# Altium PCB roach2.PcbDoc (part 35 of 39) (continued)
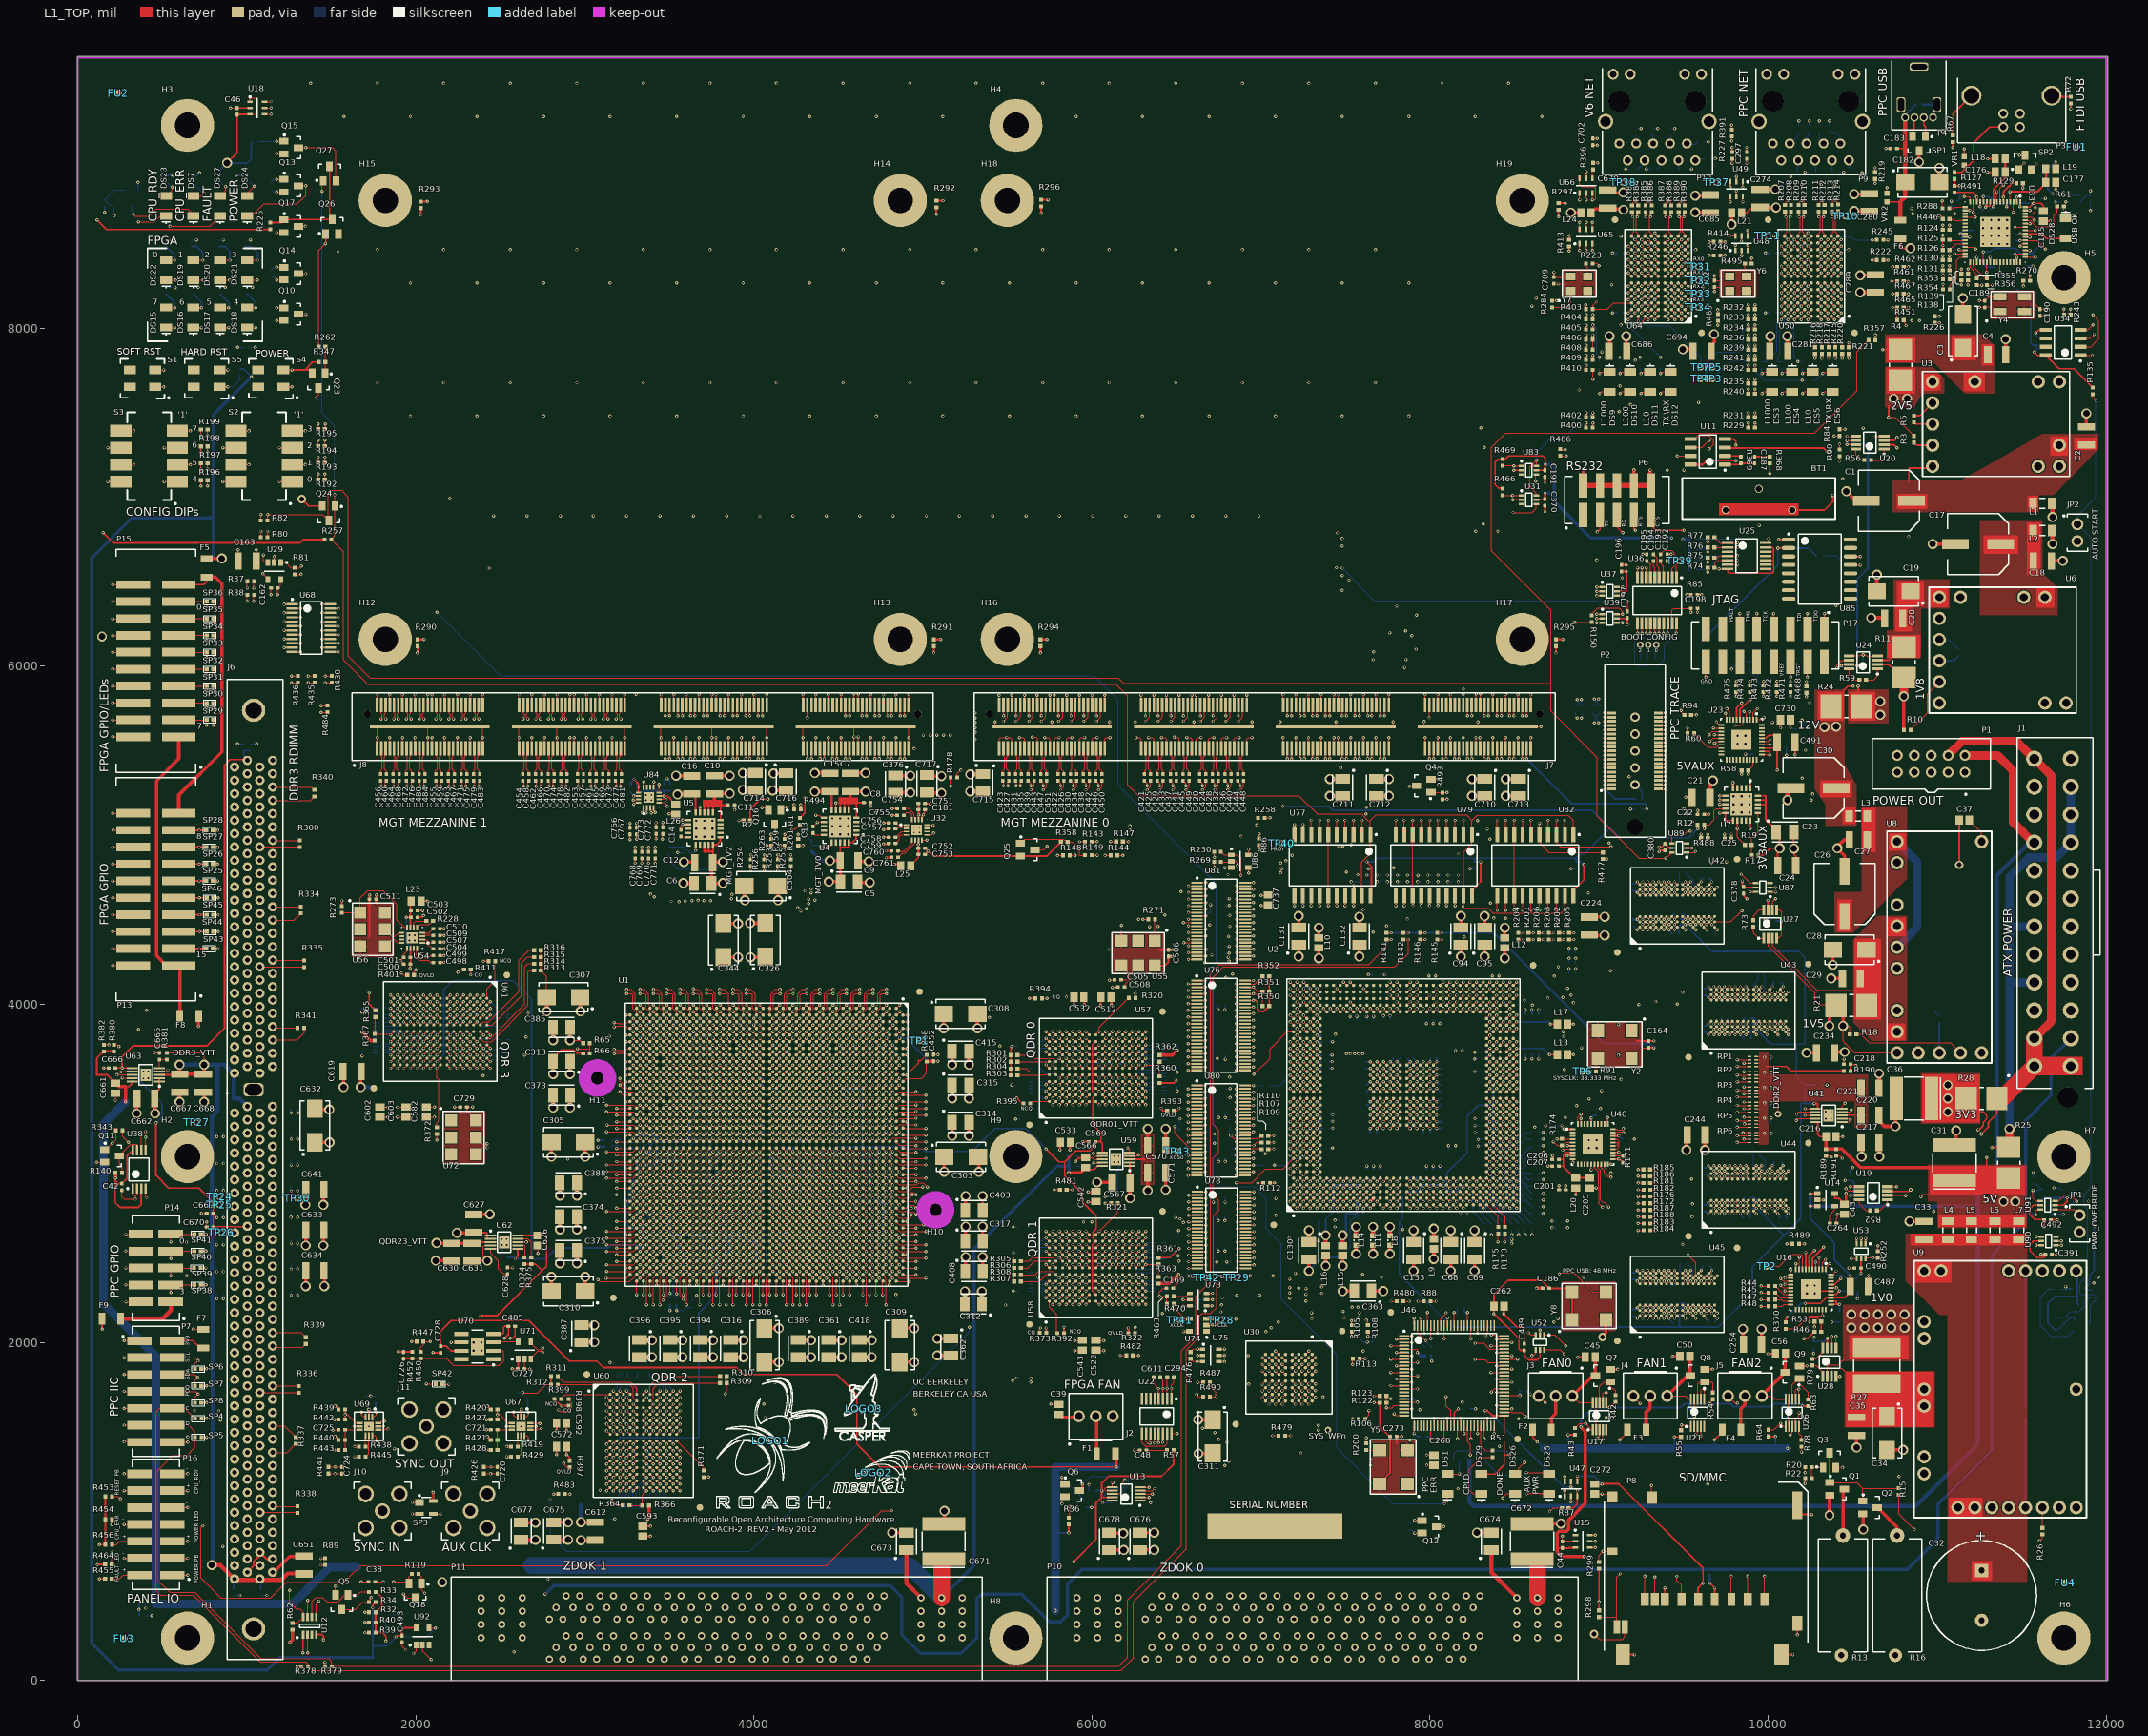
[diagram p0: L1_TOP view]
## Nets (pads, with @x,y where several pads share a name; then routed paths per layer and width w, separated by ;. In a path a pad name is that pad's centre, name@x,y a point inside that pad or via, vN(x,y) a via of type N, cw(c..) or ccw(c..) an arc to the next point about the centre after c; other vN are vias at no path point) (continued)
ZDOK0.DP_N25: P10.C12 U1.G39 | length 5275.9
  L1_TOP w5: U1.G39@4644.77,2478.78 v1(4664.46,2459.09)
  L12_S w3.8: v1(4664.46,2459.09) 4680.43,2443.12 4680.43,2327.03 4700.11,2307.34 4700.11,2238.64 4681.14,2219.67 4681.14,2159.76 4786.19,2054.71 4786.19,1936.76 5092.99,1629.96 5092.99,1619.76 5113.37,1599.38 5229.31,1483.44 cw(c5226.2,1480.33) 5230.6,1480.33 cw(c5226.2,1480.33) 5229.31,1477.22 5195.68,1443.58 ccw(c5204.31,1434.96) 5195.68,1426.33 ccw(c5204.31,1434.96) 5212.93,1426.33 5302.15,1515.54 cw(c5305.26,1512.44) 5308.38,1515.55 cw(c5305.26,1512.44) 5309.66,1512.44 cw(c5305.26,1512.44) 5308.38,1509.33 5258.66,1459.62 5219.16,1420.11 ccw(c5227.78,1411.48) 5219.16,1402.86 ccw(c5227.78,1411.48) 5236.41,1402.86 5325.62,1492.07 cw(c5328.74,1488.96) 5331.85,1492.07 cw(c5328.74,1488.96) 5333.14,1488.96 cw(c5328.74,1488.96) 5331.85,1485.85 5282.14,1436.14 5242.63,1396.63 ccw(c5251.26,1388.01) 5242.63,1379.38 ccw(c5251.26,1388.01) 5259.88,1379.38 5349.1,1468.59 cw(c5352.21,1465.49) 5355.33,1468.6 cw(c5352.21,1465.49) 5356.61,1465.49 cw(c5352.21,1465.49) 5355.33,1462.38 5305.61,1412.67 5266.11,1373.16 ccw(c5274.73,1364.53) 5266.11,1355.91 ccw(c5274.73,1364.53) 5283.36,1355.91 5316.99,1389.53 cw(c5320.1,1386.43) 5323.22,1389.54 ; 5323.22,1389.53 5792.56,920.19 7155.79,920.19 7342.48,733.51 7342.48,508.51 7317.99,484.02 7317.99,410.19 7350.19,377.99 7350.19,254.76 7374.76,230.19 7420.38,230.19 7453.97,263.78 P10.C12@7494.92,263.78
ZDOK0.DP_N26: P10.C14 U1.E37 | length 5265
  L1_TOP w5: U1.E37@4723.51,2557.52 v1(4743.2,2537.83)
  L3_S w3.8: v1(4743.2,2537.83) 4727.6,2522.23 4727.6,2349.39 4747.28,2329.7 4747.28,2192.2 4831.79,2107.69 4831.79,1905.99 5229.79,1507.99 5439.02,1507.99 5854.02,1092.99 6254.02,1092.99 6311.62,1035.39 6353.45,1035.39 6366.57,1048.51 6492.48,1048.51 6570.49,970.5 6605.03,935.95 6607.99,932.99 6694.39,932.99 ccw(c6694.39,937.39) 6698.79,937.39 6698.79,988.71 cw(c6710.99,988.71) 6723.19,988.71 6723.19,902.28 ccw(c6727.59,902.28) 6731.99,902.28 6731.99,988.71 cw(c6744.19,988.71) 6756.39,988.71 6756.39,902.28 ccw(c6760.79,902.28) 6765.19,902.28 6765.19,988.71 cw(c6777.39,988.71) 6789.59,988.71 6789.59,902.28 ccw(c6793.99,902.28) 6798.39,902.28 6798.39,988.71 cw(c6810.59,988.71) 6822.79,988.71 6822.79,902.28 ccw(c6827.19,902.28) 6831.59,902.28 6831.59,988.71 cw(c6843.79,988.71) 6855.99,988.71 6855.99,886.39 ccw(c6860.39,886.39) 6864.79,886.39 6864.79,920.79 cw(c6876.99,920.79) 6876.99,932.99 6901.22,932.99 7291.22,542.99 7311.22,542.99 7415.79,438.42 7415.79,407.99 7532.45,291.33 7626.41,291.33 7653.97,263.78 P10.C14@7694.92,263.78
ZDOK0.DP_N27: P10.C16 U1.D41 | length 5288.3
  L1_TOP w5: U1.D41@4762.57,2399.57 4782.26,2379.88 v2(4782.26,2222.4)
  L14_S w3.8: v2@4783.16,2223.94 4804.21,2244.99 4817.99,2244.99 4827.99,2234.99 4827.99,2175.76 4875.19,2128.56 4875.19,1844.76 4954.76,1765.19 5092.99,1765.19 5224.09,1634.1 5370.07,1488.11 cw(c5366.96,1485) 5371.36,1485 cw(c5366.96,1485) 5370.07,1481.89 5353.87,1465.69 ; 5353.87,1465.68 ccw(c5362.49,1457.06) 5353.87,1448.43 ccw(c5362.49,1457.06) 5371.12,1448.43 5440.37,1517.68 cw(c5443.48,1514.57) 5446.59,1517.68 cw(c5443.48,1514.57) 5447.88,1514.57 cw(c5443.48,1514.57) 5446.59,1511.46 5399.42,1464.29 ; 5399.41,1464.28 5377.34,1442.21 ccw(c5385.97,1433.58) 5377.34,1424.96 ccw(c5385.97,1433.58) 5394.59,1424.96 5463.84,1494.2 cw(c5466.95,1491.09) 5470.06,1494.2 cw(c5466.95,1491.09) 5471.35,1491.09 cw(c5466.95,1491.09) 5470.06,1487.98 5400.82,1418.73 ccw(c5409.44,1410.11) 5400.82,1401.48 ccw(c5409.44,1410.11) 5418.07,1401.48 5487.32,1470.73 cw(c5490.43,1467.62) 5493.54,1470.73 cw(c5490.43,1467.62) 5494.83,1467.62 cw(c5490.43,1467.62) 5493.54,1464.51 5424.29,1395.26 ccw(c5432.92,1386.63) 5424.29,1378.01 ccw(c5432.92,1386.63) 5441.54,1378.01 5457.75,1394.21 cw(c5460.86,1391.1) 5463.97,1394.21 5530.19,1327.99 6002.99,1327.99 6185.28,1145.71 6296.74,1145.71 6318.51,1167.48 6433.51,1167.48 6580.79,1020.19 7322.99,1020.19 7732.48,610.71 7732.48,473.51 7719.61,460.64 7719.61,411.38 7745.19,385.79 7745.19,264.76 7779.76,230.19 7820.38,230.19 7853.97,263.78 P10.C16@7894.92,263.78
ZDOK0.DP_N28: P10.C18 U1.A41 | length 5181.4
  L1_TOP w5: U1.A41@4880.99,2400.04 4881.89,2400.04 v2(4959.73,2400.04)
  L14_S w3.8: v2@4960.63,2401.57 4975.42,2416.36 5079.7,2416.36 5187.99,2308.07 5187.99,2123.76 5416.56,1895.19 5517.99,1895.19 5577.99,1835.19 5577.99,1666.96 5784.76,1460.19 5912.99,1460.19 ccw(c5912.99,1472.39) 5925.19,1472.39 5925.19,1507.17 cw(c5929.59,1507.17) 5933.99,1507.17 5933.99,1435.69 ccw(c5946.19,1435.69) 5958.39,1435.69 5958.39,1524.5 cw(c5962.79,1524.5) 5967.19,1524.5 5967.19,1435.69 ccw(c5979.39,1435.69) 5991.59,1435.69 5991.59,1514.07 cw(c5995.99,1514.07) 6000.39,1514.07 6000.39,1435.69 ccw(c6012.59,1435.69) 6024.79,1435.69 6024.79,1507.12 cw(c6029.19,1507.12) 6033.59,1507.12 6033.59,1472.39 ccw(c6045.79,1472.39) 6045.79,1460.19 6085.79,1460.19 6088.75,1457.24 6149.99,1395.99 6280.79,1265.19 6507.99,1265.19 6640.19,1132.99 7407.99,1132.99 7952.99,587.99 7952.99,482.99 7982.51,453.47 7982.51,408.54 7950.19,376.22 7950.19,264.76 7979.76,235.19 8025.38,235.19 8053.97,263.78 P10.C18@8094.92,263.78
ZDOK0.DP_N29: P10.F2 U1.L32 | length 5252.3
  L1_TOP w5: U1.L32@4487.29,2754.37 v1(4506.98,2734.68)
  L3_S w3.8: v1(4506.98,2734.68) 4522.95,2718.71 4522.95,2359.51 4542.63,2339.82 4542.63,2109.32 4594.99,2056.96 4594.99,1844.76 5189.56,1250.19 5252.99,1250.19 5775.19,727.99 5798.99,727.99 ccw(c5798.99,740.19) 5811.19,740.19 5811.19,801.43 cw(c5815.59,801.43) 5819.99,801.43 5819.99,692.36 ccw(c5832.19,692.36) 5844.39,692.36 5844.39,801.43 cw(c5848.79,801.43) 5853.19,801.43 5853.19,709.83 ccw(c5865.39,709.83) 5877.59,709.83 5877.59,801.43 cw(c5881.99,801.43) 5886.39,801.43 5886.39,740.19 ccw(c5898.59,740.19) 5910.79,740.19 5910.79,801.43 cw(c5915.19,801.43) 5919.59,801.43 5919.59,692.36 ccw(c5931.79,692.36) 5943.99,692.36 5943.99,801.43 cw(c5948.39,801.43) 5952.79,801.43 5952.79,692.36 ccw(c5964.99,692.36) 5977.19,692.36 5977.19,801.43 cw(c5981.59,801.43) 5985.99,801.43 5985.99,692.36 ccw(c5998.19,692.36) 6010.39,692.36 6010.39,801.43 cw(c6014.79,801.43) 6019.19,801.43 6019.19,692.36 ccw(c6031.39,692.36) 6043.59,692.36 6043.59,801.43 cw(c6047.99,801.43) 6052.39,801.43 6052.39,692.36 ccw(c6064.59,692.36) 6076.79,692.36 6076.79,723.59 cw(c6081.19,723.59) 6081.19,727.99 6222.99,727.99 6362.62,588.36 6362.62,497.19 6394.62,465.19 6406.22,465.19 6413.48,472.45 6426.41,472.45 6453.97,500 P10.F2@6494.92,500
ZDOK0.DP_N30: P10.F4 U1.J36 | length 5311.3
  L1_TOP w5: U1.J36@4566.03,2596.89 v1(4585.72,2577.2)
  L5_S w3.8: v1(4585.72,2577.2) 4595,2567.92 4601.69,2561.23 4635.85,2561.23 4648.86,2548.23 4648.86,2406.98 4668.54,2387.3 4668.54,2269.27 4711.24,2226.58 4711.24,2187.28 4660.99,2137.04 4660.99,1886.99 4794.99,1752.99 4861.22,1752.99 5268.42,1345.79 5652.39,1345.79 ccw(c5652.39,1350.19) 5656.79,1350.19 5656.79,1402.06 cw(c5668.99,1402.06) 5681.19,1402.06 5681.19,1298.92 ccw(c5685.59,1298.92) 5689.99,1298.92 5689.99,1402.06 cw(c5702.19,1402.06) 5714.39,1402.06 5714.39,1298.92 ccw(c5718.79,1298.92) 5723.19,1298.92 5723.19,1402.06 cw(c5735.39,1402.06) 5747.59,1402.06 5747.59,1298.92 ccw(c5751.99,1298.92) 5756.39,1298.92 5756.39,1402.06 cw(c5768.59,1402.06) 5780.79,1402.06 5780.79,1298.92 ccw(c5785.19,1298.92) 5789.59,1298.92 5789.59,1402.06 cw(c5801.79,1402.06) 5813.99,1402.06 5813.99,1298.92 ccw(c5818.39,1298.92) 5822.79,1298.92 5822.79,1333.59 cw(c5834.99,1333.59) 5834.99,1345.79 5861.22,1345.79 6015.79,1191.22 6015.79,1056.22 6069.02,1002.99 6170.99,1002.99 ccw(c6170.99,1007.39) 6175.39,1007.39 6175.39,1070.79 cw(c6187.59,1070.79) 6199.79,1070.79 6199.79,1007.39 ccw(c6204.19,1007.39) 6208.59,1007.39 6208.59,1070.79 cw(c6220.79,1070.79) 6232.99,1070.79 6232.99,1007.39 ccw(c6237.39,1007.39) 6241.79,1007.39 6241.79,1070.79 cw(c6253.99,1070.79) 6266.19,1070.79 6266.19,1007.39 ccw(c6270.59,1007.39) 6274.99,1007.39 6274.99,1070.79 cw(c6287.19,1070.79) 6299.39,1070.79 6299.39,1007.39 ccw(c6303.79,1007.39) 6303.79,1002.99 6381.22,1002.99 6615.79,768.42 6615.79,737.99 6658.86,694.92 6658.86,536.06 P10.F4@6694.92,500
ZDOK0.DP_N31: P10.F6 U1.J41 | length 5211.2
  L1_TOP w5: U1.J41@4566.03,2400.04 v1(4585.72,2380.35)
  L12_S w3.8: v1@4586.62,2381.89 v1@4586.94,2381.57 ; v1@4590.33,2378.17 v1@4586.94,2381.57 ; P10.F6@6894.92,500 6855.79,539.13 6855.79,671.22 6829.02,697.99 6024.02,697.99 5944.02,777.99 5597.99,777.99 5056.39,1319.6 ccw(c5045.77,1308.99) 5035.16,1319.6 5009.4,1293.84 cw(c5006.29,1296.95) 5003.18,1300.06 5060.93,1357.81 ccw(c5050.31,1368.42) 5065.32,1368.42 ccw(c5050.31,1368.42) 5039.7,1379.03 4981.95,1321.28 cw(c4978.84,1324.39) 4975.73,1327.5 5033.48,1385.25 ccw(c5022.87,1395.86) 5037.88,1395.86 ccw(c5022.87,1395.86) 5012.26,1406.47 4954.51,1348.73 cw(c4951.4,1351.84) 4948.29,1354.95 5006.04,1412.7 ccw(c4995.42,1423.31) 5010.43,1423.31 ccw(c4995.42,1423.31) 4984.81,1433.92 4927.06,1376.17 cw(c4923.95,1379.28) 4920.84,1382.39 4978.59,1440.14 ccw(c4967.98,1450.75) 4982.99,1450.75 ccw(c4967.98,1450.75) 4957.37,1461.37 4899.62,1403.62 cw(c4896.51,1406.73) 4893.4,1409.84 4951.15,1467.59 ccw(c4940.53,1478.2) 4955.54,1478.2 ccw(c4940.53,1478.2) 4929.92,1488.81 4872.17,1431.06 cw(c4869.06,1434.17) 4865.95,1437.28 4923.7,1495.03 ccw(c4913.09,1505.64) 4928.1,1505.64 ccw(c4913.09,1505.64) 4902.48,1516.26 4884.21,1497.99 cw(c4881.1,1501.1) 4877.99,1497.99 4825.28,1550.71 4825.28,1577.99 ccw(c4813.08,1577.99) 4813.08,1590.19 4756.72,1590.19 cw(c4756.72,1594.59) 4756.72,1598.99 4888.13,1598.99 ccw(c4888.13,1611.19) 4900.33,1611.19 ccw(c4888.13,1611.19) 4888.13,1623.39 4756.72,1623.39 cw(c4756.72,1627.79) 4756.72,1632.19 4888.13,1632.19 ccw(c4888.13,1644.39) 4900.33,1644.39 ccw(c4888.13,1644.39) 4888.13,1656.59 4829.68,1656.59 cw(c4829.68,1660.99) 4825.28,1660.99 4825.28,1684.71 4596.99,1912.99 4596.99,2315.99 4586.94,2326.05 4586.94,2380.35 v1@4586.94,2381.57
  L14_S w3.8: v1@4586.62,2381.89 4586.94,2381.57 v1@4590.33,2378.17
ZDOK0.DP_N32: P10.F8 U1.J38 | length 5232.9
  L1_TOP w5: U1.J38@4566.03,2518.15 v1(4585.72,2498.46)
  L9_R w3.8: v1(4585.72,2498.46) 4570.12,2482.86 4570.12,2352.21 4602.28,2320.05 4602.28,1852.99 4862.28,1592.99 4940.19,1592.99 v3(4947.99,1600.79)
  L12_S w3.8: v3(4947.99,1600.79) 4955.79,1592.99 4961.25,1592.99 4969.05,1600.79 4986.22,1600.79 5000.79,1586.22 5000.79,1530.19 5468.49,1062.49 ccw(c5471.6,1065.6) 5474.71,1062.49 5491.95,1079.73 cw(c5500.57,1071.1) 5509.2,1079.73 cw(c5500.57,1071.1) 5512.77,1071.1 cw(c5500.57,1071.1) 5509.2,1062.47 5486.1,1039.38 ; 5486.09,1039.37 5470.5,1023.77 ccw(c5473.61,1020.66) 5470.5,1017.55 ccw(c5473.61,1020.66) 5476.72,1017.55 5492.32,1033.14 ; 5492.33,1033.15 5515.42,1056.25 cw(c5524.05,1047.62) 5532.68,1056.25 cw(c5524.05,1047.62) 5536.25,1047.62 cw(c5524.05,1047.62) 5532.68,1039 5509.58,1015.9 5493.98,1000.3 ccw(c5497.08,997.18) 5493.97,994.07 ccw(c5497.08,997.18) 5500.19,994.07 5515.79,1009.67 5538.9,1032.77 cw(c5547.52,1024.15) 5556.15,1032.77 cw(c5547.52,1024.15) 5559.72,1024.15 cw(c5547.52,1024.15) 5556.15,1015.52 5533.05,992.43 ; 5533.04,992.42 5517.45,976.82 ccw(c5520.56,973.71) 5517.45,970.6 ccw(c5520.56,973.71) 5523.67,970.6 5562.37,1009.29 cw(c5571,1000.67) 5579.63,1009.3 cw(c5571,1000.67) 5583.2,1000.67 cw(c5571,1000.67) 5579.63,992.05 5556.53,968.95 5540.93,953.35 ccw(c5544.03,950.23) 5540.92,947.12 ccw(c5544.03,950.23) 5547.14,947.12 5585.85,985.82 cw(c5594.47,977.2) 5603.1,985.82 cw(c5594.47,977.2) 5606.67,977.2 cw(c5594.47,977.2) 5603.1,968.57 5580,945.48 ; 5579.99,945.47 5564.4,929.87 ccw(c5567.51,926.76) 5564.4,923.65 ccw(c5567.51,926.76) 5570.62,923.65 5609.32,962.35 cw(c5617.95,953.72) 5626.58,962.35 cw(c5617.95,953.72) 5630.15,953.72 cw(c5617.95,953.72) 5626.58,945.1 5603.48,922 5587.88,906.4 ccw(c5590.98,903.28) 5587.87,900.17 ccw(c5590.98,903.28) 5594.09,900.17 5632.8,938.87 cw(c5641.42,930.25) 5650.05,938.87 cw(c5641.42,930.25) 5653.62,930.25 cw(c5641.42,930.25) 5650.05,921.62 ; 5626.94,898.52 5611.35,882.92 ccw(c5614.46,879.81) 5611.35,876.7 ccw(c5614.46,879.81) 5617.57,876.7 5656.27,915.4 cw(c5664.9,906.77) 5673.53,915.4 cw(c5664.9,906.77) 5677.1,906.77 cw(c5664.9,906.77) 5673.53,898.15 5653.5,878.12 ; 5626.95,898.53 5650.05,921.62 ; 5653.5,877.49 5697.99,832.99 5706.99,832.99 ccw(c5706.99,837.39) 5711.39,837.39 5711.39,864.64 cw(c5723.59,864.64) 5735.79,864.64 5735.79,837.39 ccw(c5740.19,837.39) 5744.59,837.39 5744.59,864.64 cw(c5756.79,864.64) 5768.99,864.64 5768.99,837.39 ccw(c5773.39,837.39) 5777.79,837.39 5777.79,864.64 cw(c5789.99,864.64) 5802.19,864.64 5802.19,837.39 ccw(c5806.59,837.39) 5810.99,837.39 5810.99,864.64 cw(c5823.19,864.64) 5835.39,864.64 5835.39,837.39 ccw(c5839.79,837.39) 5844.19,837.39 5844.19,843.99 cw(c5856.39,843.99) 5868.59,843.99 5868.59,837.39 ccw(c5872.99,837.39) 5877.39,837.39 5877.39,858.38 cw(c5889.59,858.38) 5901.79,858.38 5901.79,837.39 ccw(c5906.19,837.39) 5906.19,832.99 6089.02,832.99 6114.78,807.24 6162.88,807.24 6170.68,815.04 6386.49,815.04 6418.53,782.99 6949.02,782.99 7050.79,681.22 7050.79,544.13 P10.F8@7094.92,500
ZDOK0.DP_N33: P10.F10 U1.H38 | length 5258.6
  L1_TOP w5: U1.H38@4605.4,2518.15 v1(4625.09,2498.46)
  L12_S w3.8: v1(4625.09,2498.46) 4648.86,2474.69 4648.86,2341.13 4668.54,2321.44 4668.54,2249.02 4633.79,2214.26 4633.79,2184.23 4741.22,2076.8 4741.22,1908.99 4835.22,1814.99 4859.22,1814.99 5030.79,1643.42 5030.79,1580.19 5149.49,1461.5 5294.79,1316.19 ccw(c5297.9,1319.3) 5301.01,1316.19 5332.09,1347.27 cw(c5340.72,1338.64) 5349.34,1347.27 cw(c5340.72,1338.64) 5352.92,1338.64 cw(c5340.72,1338.64) 5349.34,1330.02 5312.4,1293.08 ; 5312.39,1293.07 5291.86,1272.53 ccw(c5294.96,1269.42) 5291.85,1266.3 ccw(c5294.96,1269.42) 5298.08,1266.3 5355.57,1323.79 cw(c5364.19,1315.17) 5372.82,1323.79 cw(c5364.19,1315.17) 5376.39,1315.17 cw(c5364.19,1315.17) 5372.82,1306.54 ; 5359.34,1246.12 5338.81,1225.58 ccw(c5341.92,1222.46) 5338.8,1219.35 ccw(c5341.92,1222.46) 5345.03,1219.35 5402.52,1276.84 cw(c5411.14,1268.22) 5419.77,1276.84 cw(c5411.14,1268.22) 5423.34,1268.22 cw(c5411.14,1268.22) 5419.77,1259.59 ; 5359.35,1246.13 5396.29,1283.06 ccw(c5387.67,1291.69) 5399.87,1291.69 ccw(c5387.67,1291.69) 5396.29,1300.32 ccw(c5387.67,1291.69) 5379.04,1300.32 5321.55,1242.83 cw(c5318.44,1245.94) 5315.33,1242.83 cw(c5318.44,1245.94) 5315.33,1249.05 5335.87,1269.59 5372.81,1306.54 ; 5406.29,1199.17 5385.75,1178.63 ccw(c5388.87,1175.51) 5385.75,1172.4 ccw(c5388.87,1175.51) 5391.98,1172.4 5449.47,1229.89 cw(c5458.09,1221.27) 5466.72,1229.89 cw(c5458.09,1221.27) 5470.29,1221.27 cw(c5458.09,1221.27) 5466.72,1212.64 ; 5406.3,1199.18 5443.24,1236.11 ccw(c5434.62,1244.74) 5446.82,1244.74 ccw(c5434.62,1244.74) 5443.24,1253.37 ccw(c5434.62,1244.74) 5425.99,1253.37 5368.51,1195.88 cw(c5365.39,1198.99) 5362.28,1195.88 cw(c5365.39,1198.99) 5362.28,1202.1 5382.82,1222.64 5419.76,1259.59 ; 5453.24,1152.22 5432.7,1131.68 ccw(c5435.82,1128.56) 5432.7,1125.45 ccw(c5435.82,1128.56) 5438.93,1125.45 5453.6,1140.13 cw(c5462.23,1131.5) 5470.86,1140.13 5712.99,897.99 6084.02,897.99 6146.45,835.56 6380.07,835.56 6407.5,862.99 7109.02,862.99 7240.79,731.22 7240.79,554.13 P10.F10@7294.92,500 ; 5453.25,1152.23 5490.19,1189.16 ccw(c5481.57,1197.79) 5493.77,1197.79 ccw(c5481.57,1197.79) 5490.19,1206.42 ccw(c5481.57,1197.79) 5472.94,1206.42 5415.45,1148.93 cw(c5412.34,1152.04) 5409.23,1148.93 cw(c5412.34,1152.04) 5409.23,1155.15 5429.77,1175.69 5466.71,1212.64
ZDOK0.DP_N34: P10.F12 U1.E40 | length 5260.4
  L1_TOP w5: U1.E40@4723.51,2439.41 v1(4743.2,2419.72)
  L3_S w3.8: v1@4744.1,2421.26 4744.41,2420.94 4759.88,2405.47 4759.88,2315.76 4801.19,2274.45 4801.19,2154.76 4867.19,2088.76 4867.19,1901.76 5243.76,1525.19 5495.79,1525.19 5498.75,1522.24 5527.3,1493.68 ccw(c5535.94,1502.3) 5544.56,1493.67 ; 5544.57,1493.68 5570.2,1519.31 cw(c5573.31,1516.2) 5576.42,1519.31 cw(c5573.31,1516.2) 5577.71,1516.2 cw(c5573.31,1516.2) 5576.42,1513.09 5544.92,1481.59 ; 5544.91,1481.58 5520.91,1457.58 ccw(c5529.54,1448.95) 5520.91,1440.32 ccw(c5529.54,1448.95) 5538.16,1440.32 5593.67,1495.83 cw(c5596.79,1492.73) 5599.9,1495.84 cw(c5596.79,1492.73) 5601.19,1492.73 cw(c5596.79,1492.73) 5599.9,1489.62 5568.4,1458.11 5544.39,1434.11 ccw(c5553.01,1425.47) 5544.38,1416.85 ccw(c5553.01,1425.47) 5561.64,1416.85 5617.15,1472.36 cw(c5620.26,1469.25) 5623.37,1472.36 cw(c5620.26,1469.25) 5624.66,1469.25 cw(c5620.26,1469.25) 5623.37,1466.14 5591.87,1434.64 ; 5591.86,1434.63 5567.86,1410.63 ccw(c5576.49,1402) 5567.86,1393.37 ccw(c5576.49,1402) 5585.11,1393.37 5640.62,1448.88 cw(c5643.74,1445.78) 5646.85,1448.89 cw(c5643.74,1445.78) 5648.14,1445.78 cw(c5643.74,1445.78) 5646.85,1442.66 5615.35,1411.16 5591.34,1387.16 ccw(c5599.96,1378.52) 5591.33,1369.9 ccw(c5599.96,1378.52) 5608.59,1369.9 5664.1,1425.41 cw(c5667.21,1422.3) 5670.32,1425.41 cw(c5667.21,1422.3) 5671.61,1422.3 cw(c5667.21,1422.3) 5670.32,1419.19 5614.81,1363.68 ccw(c5623.44,1355.05) 5614.81,1346.42 ccw(c5623.44,1355.05) 5632.06,1346.42 5687.58,1401.94 cw(c5690.69,1398.83) 5693.8,1401.94 cw(c5690.69,1398.83) 5695.09,1398.83 cw(c5690.69,1398.83) 5693.8,1395.71 5638.28,1340.2 ccw(c5646.91,1331.57) 5638.28,1322.95 ccw(c5646.91,1331.57) 5655.54,1322.95 5711.05,1378.46 cw(c5714.16,1375.35) 5717.27,1378.46 cw(c5714.16,1375.35) 5718.56,1375.35 cw(c5714.16,1375.35) 5717.27,1372.24 5661.76,1316.73 ccw(c5670.39,1308.1) 5661.76,1299.47 ccw(c5670.39,1308.1) 5679.01,1299.47 5734.53,1354.99 cw(c5737.64,1351.88) 5740.75,1354.99 cw(c5737.64,1351.88) 5742.04,1351.88 cw(c5737.64,1351.88) 5740.75,1348.76 5685.23,1293.25 ccw(c5693.86,1284.62) 5685.23,1276 ccw(c5693.86,1284.62) 5702.49,1276 5720.63,1294.14 cw(c5723.74,1291.03) 5726.85,1294.14 5804.39,1216.59 5829.45,1216.59 5835.85,1210.19 6415.79,1210.19 6615.79,1010.19 6910.79,1010.19 7220.19,700.79 7220.19,648.78 7376.77,492.2 7383.83,492.2 7403.59,472.45 7426.41,472.45 7453.97,500 P10.F12@7494.92,500
ZDOK0.DP_N35: P10.F14 U1.F41 | length 5256.5
  L1_TOP w5: U1.F41@4684.14,2400.04 v1(4703.83,2380.35)
  L14_S w3.8: v1@4704.73,2381.89 4705.05,2381.57 4739.11,2347.5 4739.11,2183.64 4830.19,2092.56 4830.19,1830.76 4955.76,1705.19 5067.99,1705.19 5505.19,1267.99 5748.99,1267.99 ccw(c5748.99,1280.19) 5761.19,1280.19 5761.19,1307.46 cw(c5765.59,1307.46) 5769.99,1307.46 5769.99,1200.73 ccw(c5782.19,1200.73) 5794.39,1200.73 5794.39,1307.46 cw(c5798.79,1307.46) 5803.19,1307.46 5803.19,1228.27 ccw(c5815.39,1228.27) 5827.59,1228.27 5827.59,1307.46 cw(c5831.99,1307.46) 5836.39,1307.46 5836.39,1212.36 ccw(c5848.59,1212.36) 5860.79,1212.36 5860.79,1307.46 cw(c5865.19,1307.46) 5869.59,1307.46 5869.59,1200.73 ccw(c5881.79,1200.73) 5893.99,1200.73 5893.99,1307.46 cw(c5898.39,1307.46) 5902.79,1307.46 5902.79,1200.73 ccw(c5914.99,1200.73) 5927.19,1200.73 5927.19,1263.59 cw(c5931.59,1263.59) 5931.59,1267.99 5972.99,1267.99 5975.95,1265.04 6013.49,1227.49 6225.79,1015.19 6450.79,1015.19 6520.28,945.71 7289.25,945.71 7522.48,712.48 7527.48,707.48 7535.19,699.76 7535.19,514.76 7579.76,470.19 7624.16,470.19 7653.97,500 P10.F14@7694.92,500
ZDOK0.DP_N36: P10.F16 U1.F36 | length 5263.2
  L1_TOP w5: U1.F36@4684.14,2596.89 v1(4703.83,2577.2)
  L3_S w3.8: v1@4705.05,2578.42 4704.73,2578.74 4704.73,2577.2 4704.73,2563.26 4714.49,2553.49 4754.96,2553.49 4759.17,2549.29 4759.17,2528.14 4772.88,2514.43 4848.52,2514.43 4907.96,2454.99 4953.25,2454.99 ; 4953.27,2455.01 4966.19,2455.01 5055.99,2454.99 5192.99,2317.99 5192.99,1936.76 5469.56,1660.19 5640.79,1660.19 5871.49,1429.5 5915.55,1385.44 5920.79,1380.19 6065.59,1380.19 ccw(c6065.59,1392.39) 6077.79,1392.39 6077.79,1455.55 cw(c6082.19,1455.55) 6086.59,1455.55 6086.59,1353.23 ccw(c6098.79,1353.23) 6110.99,1353.23 6110.99,1455.55 cw(c6115.39,1455.55) 6119.79,1455.55 6119.79,1353.23 ccw(c6131.99,1353.23) 6144.19,1353.23 6144.19,1455.55 cw(c6148.59,1455.55) 6152.99,1455.55 6152.99,1353.23 ccw(c6165.19,1353.23) 6177.39,1353.23 6177.39,1455.55 cw(c6181.79,1455.55) 6186.19,1455.55 6186.19,1353.23 ccw(c6198.39,1353.23) 6210.59,1353.23 6210.59,1375.79 cw(c6214.99,1375.79) 6214.99,1380.19 6514.99,1380.19 6704.99,1190.19 6995.79,1190.19 7567.99,617.99 7682.99,617.99 7773.59,527.39 7773.59,481.36 7784.76,470.19 7824.16,470.19 7853.97,500 P10.F16@7894.92,500
ZDOK0.DP_N37: P10.F18 U1.C38 | length 5215.2
  L1_TOP w5: U1.C38@4802.25,2518.15 v1(4821.94,2498.46)
  L12_S w3.8: v1(4821.94,2498.46) 4862.52,2498.46 4903.79,2457.19 4903.79,2206.99 5021.99,2088.79 5021.99,1935.89 5110.89,1846.99 5635.02,1846.99 5800.79,1681.22 5800.79,1466.22 6068.51,1198.51 6147.48,1198.51 6174.59,1171.39 6211.39,1171.39 6225.28,1185.28 6723.59,1185.28 cw(c6723.59,1173.08) 6735.79,1173.08 6735.79,1135.36 ccw(c6740.19,1135.36) 6744.59,1135.36 6744.59,1173.08 cw(c6756.79,1173.08) 6768.99,1173.08 6768.99,1135.36 ccw(c6773.39,1135.36) 6777.79,1135.36 6777.79,1173.08 cw(c6789.99,1173.08) 6802.19,1173.08 6802.19,1135.36 ccw(c6806.59,1135.36) 6810.99,1135.36 6810.99,1173.08 cw(c6823.19,1173.08) 6835.39,1173.08 6835.39,1135.36 ccw(c6839.79,1135.36) 6844.19,1135.36 6844.19,1173.08 cw(c6856.39,1173.08) 6868.59,1173.08 6868.59,1135.36 ccw(c6872.99,1135.36) 6877.39,1135.36 6877.39,1173.08 cw(c6889.59,1173.08) 6901.79,1173.08 6901.79,1135.36 ccw(c6906.19,1135.36) 6910.59,1135.36 6910.59,1173.08 cw(c6922.79,1173.08) 6934.99,1173.08 6934.99,1135.36 ccw(c6939.39,1135.36) 6943.79,1135.36 6943.79,1173.08 cw(c6955.99,1173.08) 6955.99,1185.28 7301.74,1185.28 7804.02,682.99 8001.22,682.99 8058.86,625.35 8058.86,536.06 P10.F18@8094.92,500
ZDOK0.DP_P0: P10.A1 U1.P27 | length 5228.8
  L1_TOP w5: U1.P27@4369.18,2951.22 v1(4388.87,2931.53)
  L3_S w3.8: v1(4388.87,2931.53) 4365.1,2907.76 4343.03,2907.76 4333.9,2898.63 4333.9,2373.89 4353.58,2354.21 4353.58,2275.47 4381.22,2247.83 4381.22,1842.19 4350.51,1811.48 4350.51,1590.48 5068.49,872.5 5222.59,718.39 cw(c5213.97,709.77) 5226.16,709.77 cw(c5213.97,709.77) 5222.59,701.14 5183.94,662.49 ccw(c5187.05,659.38) 5183.94,656.27 ccw(c5187.05,659.38) 5190.16,656.27 ; 5190.17,656.27 5279.2,745.31 cw(c5287.83,736.68) 5296.46,745.31 cw(c5287.83,736.68) 5300.03,736.68 cw(c5287.83,736.68) 5296.46,728.05 5251.94,683.54 5207.42,639.01 ccw(c5210.53,635.9) 5207.42,632.79 ccw(c5210.53,635.9) 5213.64,632.79 5302.68,721.83 cw(c5311.3,713.21) 5319.93,721.83 cw(c5311.3,713.21) 5323.5,713.21 cw(c5311.3,713.21) 5319.93,704.58 5230.9,615.54 ccw(c5234,612.43) 5230.89,609.32 ccw(c5234,612.43) 5237.11,609.32 ; 5237.12,609.32 5326.15,698.36 cw(c5334.78,689.73) 5343.41,698.36 cw(c5334.78,689.73) 5346.98,689.73 cw(c5334.78,689.73) 5343.41,681.1 5254.37,592.07 ; 5254.37,592.06 ccw(c5257.48,588.95) 5254.37,585.84 ccw(c5257.48,588.95) 5260.59,585.84 5299.23,624.49 cw(c5307.87,615.87) 5316.49,624.49 5482.99,457.99 6169.02,457.99 6202.99,424.02 6202.99,145.79 6270.79,77.99 6327.99,77.99 6347.99,97.99 6347.99,117.99 6340,125.98 P10.A1@6315.2,125.98
ZDOK0.DP_P1: P10.A3 U1.M31 | length 5210.1
  L1_TOP w5: U1.M31@4448.82,2795.28 4467.61,2776.49 v1(4467.61,2774.05)
  L5_S w3.8: v1(4467.61,2774.05) 4450.3,2774.05 4434.7,2758.45 4426.09,2758.45 4412.64,2745 4412.64,2648.87 4421.53,2639.97 4437.93,2639.97 4451.64,2626.27 4451.64,2304.99 4463.52,2293.11 4463.52,2275.47 4443.79,2255.74 4443.79,2072.9 4482.56,2034.13 4482.56,1743.42 5242.99,982.99 5263.78,982.99 cw(c5263.78,970.79) 5275.98,970.79 5275.98,914.52 ccw(c5280.38,914.52) 5284.78,914.52 5284.78,1043.66 cw(c5296.98,1043.66) 5309.18,1043.66 5309.18,914.52 ccw(c5313.58,914.52) 5317.98,914.52 5317.98,1043.66 cw(c5330.18,1043.66) 5342.38,1043.66 5342.38,914.52 ccw(c5346.78,914.52) 5351.18,914.52 5351.18,1043.66 cw(c5363.38,1043.66) 5375.58,1043.66 5375.58,914.52 ccw(c5379.98,914.52) 5384.38,914.52 5384.38,1043.66 cw(c5396.58,1043.66) 5408.78,1043.66 5408.78,914.52 ccw(c5413.18,914.52) 5417.58,914.52 5417.58,970.79 cw(c5429.78,970.79) 5429.78,982.99 5715.79,982.99 6057.99,640.79 6103.24,640.79 6282.99,461.04 6282.99,324.02 6402.99,204.02 6402.99,177.99 6477.99,102.99 6492.2,102.99 P10.A3@6515.2,125.98
ZDOK0.DP_P2: P10.A5 U1.L35 | length 5201.1
  L1_TOP w5: U1.L35@4487.29,2636.26 v1(4506.98,2616.57)
  L5_S w3.8: v1(4506.98,2616.57) 4526.49,2597.06 4526.49,2575 4539.88,2561.6 4555.67,2561.6 4569.75,2547.53 4569.75,2358.74 4570.79,2357.69 4570.79,2312.69 4590.33,2293.16 4590.33,2107.65 4630.28,2067.71 4630.28,1886.49 4915.79,1600.97 4915.79,1552.99 5195.79,1272.99 5444.99,1272.99 ccw(c5444.99,1277.39) 5449.39,1277.39 5449.39,1316.32 cw(c5461.59,1316.32) 5473.79,1316.32 5473.79,1204.66 ccw(c5478.19,1204.66) 5482.59,1204.66 5482.59,1316.32 cw(c5494.79,1316.32) 5506.99,1316.32 5506.99,1204.66 ccw(c5511.39,1204.66) 5515.79,1204.66 5515.79,1316.32 cw(c5527.99,1316.32) 5540.19,1316.32 5540.19,1204.66 ccw(c5544.59,1204.66) 5548.99,1204.66 5548.99,1316.32 cw(c5561.19,1316.32) 5573.39,1316.32 5573.39,1204.66 ccw(c5577.79,1204.66) 5582.19,1204.66 5582.19,1316.32 cw(c5594.39,1316.32) 5606.59,1316.32 5606.59,1277.39 ccw(c5610.99,1277.39) 5610.99,1272.99 5834.02,1272.99 5839.26,1267.75 5875.55,1231.47 5880.79,1226.22 5880.79,1106.22 6013.51,973.51 6352.48,973.51 6515.79,810.19 6515.79,646.22 6587.99,574.02 6587.99,511.96 6587.45,511.41 6587.45,454.57 6650.35,391.66 6650.35,376.66 6745.79,281.22 6745.79,240.79 6715.79,210.79 6715.79,190.79 6662.99,137.99 6662.99,122.99 6682.99,102.99 6692.2,102.99 P10.A5@6715.2,125.98
ZDOK0.DP_P3: P10.A7 U1.K35 | length 5231
  L1_TOP w5: U1.K35@4526.66,2636.26 v1(4546.35,2616.57)
  L5_S w3.8: v1(4546.35,2616.57) 4570.12,2592.8 4670.92,2592.8 4680.43,2583.3 4680.43,2351.34 4691.77,2340 4715,2340 4749.19,2305.81 4749.19,2301.33 4739.48,2291.62 4739.48,2272.24 4749.19,2262.53 4749.19,1876.76 4805.76,1820.19 4942.99,1820.19 5335.19,1427.99 5437.79,1427.99 cw(c5437.79,1423.59) 5442.19,1423.59 5442.19,1367.44 ccw(c5454.39,1367.44) 5466.59,1367.44 5466.59,1453.55 cw(c5470.99,1453.55) 5475.39,1453.55 5475.39,1367.44 ccw(c5487.59,1367.44) 5499.79,1367.44 5499.79,1453.55 cw(c5504.19,1453.55) 5508.59,1453.55 5508.59,1367.44 ccw(c5520.79,1367.44) 5532.99,1367.44 5532.99,1453.55 cw(c5537.39,1453.55) 5541.79,1453.55 5541.79,1367.44 ccw(c5553.99,1367.44) 5566.19,1367.44 5566.19,1453.55 cw(c5570.59,1453.55) 5574.99,1453.55 5574.99,1367.44 ccw(c5587.19,1367.44) 5599.39,1367.44 5599.39,1453.55 cw(c5603.79,1453.55) 5608.19,1453.55 5608.19,1367.44 ccw(c5620.39,1367.44) 5632.59,1367.44 5632.59,1423.59 cw(c5636.99,1423.59) 5636.99,1427.99 5857.99,1427.99 6055.79,1230.19 6335.79,1230.19 6652.99,912.99 6652.99,749.76 6750.19,652.56 6750.19,494.76 6802.99,441.96 6802.99,419.76 6925.19,297.56 6925.19,215.11 6919.61,209.53 6919.61,180.24 6925.19,174.65 6925.19,135.98 P10.A7@6915.2,125.98
ZDOK0.DP_P4: P10.A9 U1.J35 | length 5210.1
  L1_TOP w5: U1.J35@4566.03,2636.26 v1(4585.72,2616.57)
  L3_S w3.8: v1(4585.72,2616.57) 4601.69,2600.6 4601.69,2370.66 4621.37,2350.98 4621.37,2270.61 4636.79,2255.19 4636.79,1894.16 4756.76,1774.19 4801.99,1774.19 5205.99,1370.19 5345.79,1370.19 5800.79,915.19 5814.99,915.19 ccw(c5814.99,927.39) 5827.19,927.39 5827.19,962 cw(c5831.59,962) 5835.99,962 5835.99,897.87 ccw(c5848.19,897.87) 5860.39,897.87 5860.39,962 cw(c5864.79,962) 5869.19,962 5869.19,895.22 ccw(c5881.39,895.22) 5893.59,895.22 5893.59,962 cw(c5897.99,962) 5902.39,962 5902.39,851.79 ccw(c5914.59,851.79) 5926.79,851.79 5926.79,962 cw(c5931.19,962) 5935.59,962 5935.59,851.79 ccw(c5947.79,851.79) 5959.99,851.79 5959.99,962 cw(c5964.39,962) 5968.79,962 5968.79,851.79 ccw(c5980.99,851.79) 5993.19,851.79 5993.19,962 cw(c5997.59,962) 6001.99,962 6001.99,927.39 ccw(c6014.19,927.39) 6014.19,915.19 6445.79,915.19 6757.99,602.99 6757.99,477.99 6862.99,372.99 6862.99,354.76 6992.56,225.19 7080.79,225.19 7112.99,192.99 7112.99,128.19 P10.A9@7115.2,125.98